# Altium PCB PCB.PcbDoc (part 1 of 3) (continued)
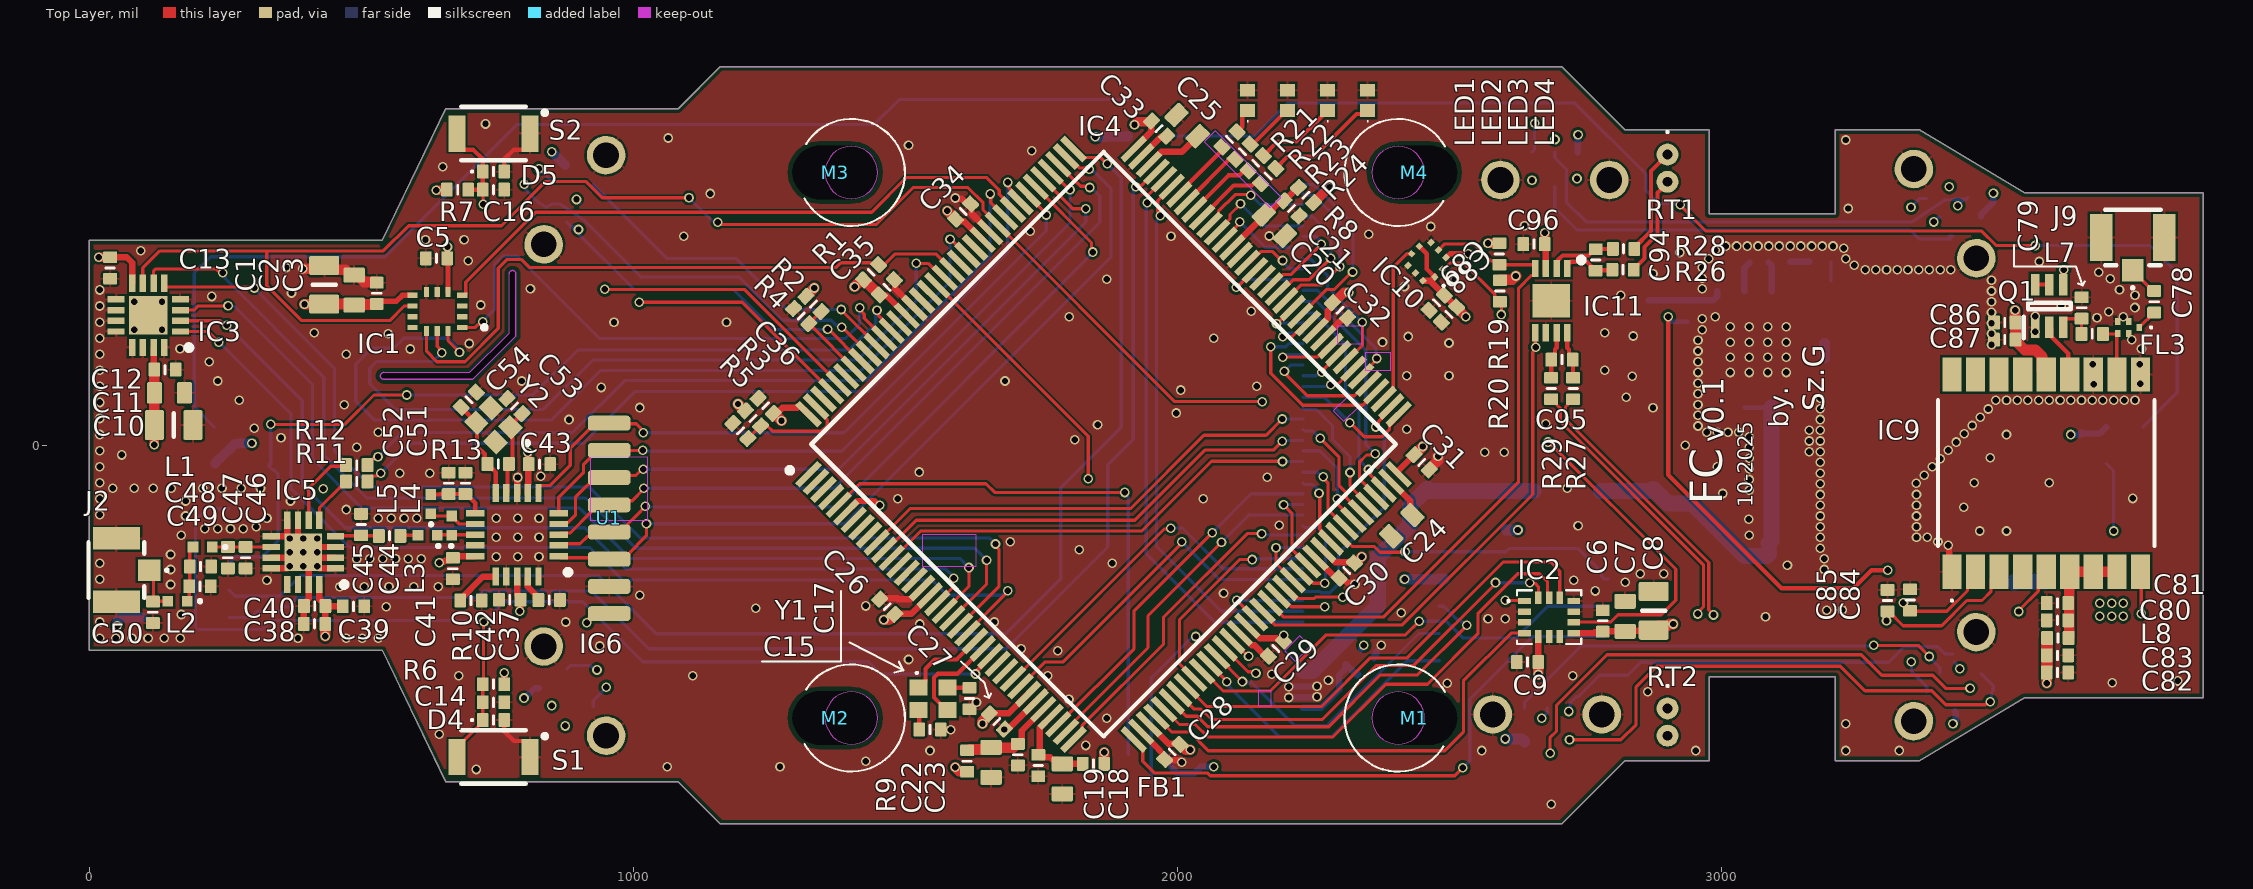
[diagram p0: Top Layer view]
## Components (designator, comment, footprint, x,y, rotation, side; value= is the part's Value field where it differs from the comment)
C1 "Cap0805" CAP0805 431.95,295 r270 top value=4u7F
C2 "Cap0603" CAP0603 487.06,285.16 r270 top value=2u2F
C3 "Cap0402" CAP0402#1 528.77,279.36 r270 top value=100nF
C5 "Cap0402" CAP0402#1 638.39,343.81 r0 top value=10nF
C6 "Cap0402" CAP0402#1 2781.8,-322.69 r270 top value=100nF
C7 "Cap0603" CAP0603 2822.69,-314.25 r270 top value=2u2F
C8 "Cap0805" CAP0805 2875.28,-304.26 r270 top value=4u7F
C9 "Cap0402" CAP0402#1 2643.3,-398.23 r0 top value=10nF
C10 "Cap0805" CAP0805 155.38,37.15 r180 top value=4u7F
C11 "Cap0603" CAP0603 147.64,96.46 r180 top value=2u2F
C12 "Cap0402" CAP0402#1 139.47,138.86 r180 top value=100nF
C13 "Cap0402" CAP0402#1 38.39,325.79 r90 top value=100nF
C14 "Cap0402" CAP0402#1 743.11,-472.44 r180 top value=100nF
C15 "Cap0402" CAP0402#2 1545.39,-522.26 r180 top value=11pF
C16 "Cap0402" CAP0402#1 743.11,469.49 r180 top value=100nF
C17 "Cap0402" CAP0402#2 1618.02,-465.51 r90 top value=11pF
C18 "Cap0603" CAP0603 1788.39,-613.19 r90 top value=1uF
C19 "Cap0402" CAP0402#1 1744.09,-588.58 r90 top value=100nF
C20 "Cap0603" CAP0603 2178.15,404.53 r135 top value=1uF
C21 "Cap0402" CAP0402#1 2209.65,435.04 r135 top value=100nF
C22 "Cap0603" CAP0603 1657.48,-582.68 r90 top value=1uF
C23 "Cap0402" CAP0402#1 1706.58,-568.72 r90 top value=100nF
C24 "Cap0603" CAP0603 2412.4,-147.64 r45 top value=2u2F
C25 "Cap0603" CAP0603 2017.72,587.6 r315 top value=2u2F
C26 "Cap0402" CAP0402#1 1466.81,-296.61 r315 top value=100nF
C27 "Cap0402" CAP0402#1 1668.11,-507.85 r135 top value=100nF
C28 "Cap0402" CAP0402#1 1990.29,-563.41 r45 top value=100nF
C29 "Cap0402" CAP0402#1 2180.8,-373.52 r45 top value=100nF
C30 "Cap0402" CAP0402#1 2311.03,-230.26 r45 top value=100nF
C31 "Cap0402" CAP0402#1 2448.82,-31.5 r135 top value=100nF
C32 "Cap0402" CAP0402#1 2298.66,248.03 r135 top value=100nF
C33 "Cap0402" CAP0402#1 1966.25,581.86 r135 top value=100nF
C34 "Cap0402" CAP0402#1 1606.4,429.41 r225 top value=100nF
C35 "Cap0402" CAP0402#1 1466.21,290.3 r225 top value=100nF
C36 "Cap0402" CAP0402#1 1243.38,72.67 r315 top value=100nF
C37 "Cap0402" CAP0402#1 845.47,-284.45 r180 top value=33nF
C38 "Cap0402" CAP0402#1 414.11,-328.04 r0 top value=1uF
C39 "Cap0402" CAP0402#1 485.96,-295.97 r180 top value=DNI
C40 "Cap0402" CAP0402#1 414.37,-295.28 r0 top value=220pF
C41 "Cap0402" CAP0402#1 668.14,-226.67 r90 top value=DNI
C42 "Cap0402" CAP0402#1 772.93,-283.64 r0 top value=10nF
C43 "Cap0402" CAP0402#1 827.69,-34.96 r180 top value=1nF
C44 "Cap0402" CAP0402#1 552.17,-166.34 r0 top value=1p5F
C45 "Cap0402" CAP0402#1 500,-145.67 r270 top value=1p0F
C46 "Cap0402" CAP0402#1 287.4,-206.69 r90 top value=0p3F
C47 "Cap0402" CAP0402#1 254.92,-206.69 r90 top value=1p5F
C48 "Cap0402" CAP0402#1 204.72,-222.84 r180 top value=1p5F
C49 "Cap0402" CAP0402#1 203.73,-259.26 r180 top value=1p5F
C50 "Cap0402" CAP0402#1 117.13,-307.09 r90 top value=1p5F
C51 "Cap0402" CAP0402#1 691.5,-69.88 r270 top value=2n2F
C52 "Cap0402" CAP0402#1 660.99,-69.88 r270 top value=4p7F
C53 "Cap0402" CAP0402#1 781.82,72.17 r315 top value=16pF
C54 "Cap0402" CAP0402#1 697.83,83.66 r225 top value=16pF
C55 "Cap0402" CAP0402#1 3181.19,337.33 r0 bottom value=100nF
C56 "TR3D336K025D0200" CAPPM7343X310N 2460.72,42.06 r90 bottom value=DNI
C57 "TR3D336K025D0200" CAPPM7343X310N 2874.1,42.06 r90 bottom value=33uF
C58 "T58W9476M6R3C0200" CAPPC2012X90N 3244.18,-36.68 r180 bottom value=47uF
C59 "T58W9476M6R3C0200" CAPPC2012X90N 3244.18,-103.61 r180 bottom value=47uF
C60 "Cap0805" CAP0805 2582.76,-48.5 r270 bottom value=DNI
C61 "Cap0805" CAP0805 3122.13,-190.23 r180 bottom value=DNI
C62 "Cap0805" CAP0805 3122.13,-127.24 r180 bottom value=10uF
C63 "Cap0805" CAP0805 3122.13,-64.24 r180 bottom value=4u7F
C64 "Cap0402" CAP0402#1 3114.26,-17 r180 bottom value=220nF
C65 "Cap0402" CAP0402#1 3114.26,14.5 r180 bottom value=100nF
C66 "Cap0402" CAP0402#1 3231.02,19.15 r0 bottom value=100nF
C67 "Cap0805" CAP0805 3244.18,-166.61 r0 bottom value=22uF
C68 "Cap0603" CAP0603 3248.12,-221.72 r0 bottom value=10uF
C69 "Cap0603" CAP0603 3248.12,-268.97 r0 bottom value=10uF
C70 "Cap0402" CAP0402#1 3366.23,-213.85 r270 bottom value=100nF
C71 "Cap0805" CAP0805 3598.51,-213.85 r270 bottom value=DNI
C72 "Cap0603" CAP0603 3653.81,-217.92 r270 bottom value=10uF
C73 "Cap0402" CAP0402#1 3696.39,-222.51 r270 bottom value=100nF
C74 "Cap0402" CAP0402#1 3189.06,140.48 r270 bottom value=DNI
C75 "Cap0402" CAP0402#1 3031.58,337.33 r0 bottom value=1uF
C76 "Cap0402" CAP0402#1 2901.66,246.78 r270 bottom value=DNI
C77 "Cap0402" CAP0402#1 2438.94,-265.88 r90 bottom value=100nF
C78 "Cap0402" CAP0402#1 3795.28,263.78 r270 top value=0R
C79 "Cap0402" CAP0402#1 3661.89,252.54 r270 top value=10nF
C80 "Cap0402" CAP0402#1 3617.2,-321.45 r0 top value=56pF
C81 "Cap0402" CAP0402#1 3617.2,-289.96 r0 top value=100nF
C82 "Cap0402" CAP0402#1 3617.48,-417.65 r180 top value=10nF
C83 "Cap0402" CAP0402#1 3617.48,-386.16 r180 top value=100nF
C84 "Cap0402" CAP0402#1 3346.65,-284.35 r270 top value=56pF
C85 "Cap0402" CAP0402#1 3305.12,-285.43 r270 top value=56pF
C86 "Cap0402" CAP0402#1 3520.39,225.79 r0 top value=100nF
C87 "Cap0402" CAP0402#1 3520.39,194.29 r0 top value=56pF
C88 "Cap0402" CAP0402#1 2498.84,240.32 r45 top value=100nF
C89 "Cap0402" CAP0402#1 2476.25,262.11 r45 top value=100nF
C90 "Cap0402" CAP0402#1 276.27,24.52 r270 bottom value=100nF
C91 "Cap0402" CAP0402#1 3661.42,0 r90 bottom value=100nF
C92 "Cap0402" CAP0402#1 2045.05,-610.94 r90 bottom value=100nF
C93 "Cap0402" CAP0402#1 1870.08,586.61 r270 bottom value=100nF
C94 "Cap0402" CAP0402#1 2768.9,340.66 r270 top value=100nF
C95 "Cap0402" CAP0402#1 2706.69,157.48 r0 top value=100nF
C96 "Cap0402" CAP0402#1 2655.23,369.85 r0 top value=100nF
D1 "D1213A-01LP4-7B" D1213A01LP47B 310.04,-35.43 r180 bottom
D2 "D1213A-01LP4-7B" D1213A01LP47B 349.41,-256.89 r90 bottom
D3 "D1213A-01LP4-7B" D1213A01LP47B 350.76,-323.84 r270 bottom
D4 "D1213A-01LP4-7B" D1213A01LP47B 743.11,-504.92 r0 top
D5 "D1213A-01LP4-7B" D1213A01LP47B 743.11,502.95 r0 top
D6 "587-1024-147F" 5871024147F 1942.91,-601.76 r270 bottom
D7 "587-1024-147F" 5871024147F 3740.16,0 r0 bottom
D8 "587-1024-147F" 5871024147F 1942.91,601.77 r90 bottom
D9 "587-1024-147F" 5871024147F 196.85,0 r180 bottom
D10 "DF2S24FS,L3M" SODFL1006X45N 2378.94,-318.9 r315 bottom
D11 "DF2S24FS,L3M" SODFL1006X45N 2346.65,-406.04 r45 bottom
FB1 "0R/Ferrite" NFZ15SG152SN10B 1845.79,-585.72 r180 top
FL1 "0R/Ferrite" BLM31KN102BH1L 2716.62,-83.93 r0 bottom
FL2 "0R/Ferrite" BLM31KN102BH1L 3476.38,-251.97 r0 bottom
FL3 "B39162B8313P810" B39162B8313P810 3748.03,216.54 r180 top
IC1 "LSM6DSOTR" LSM6DS3USTR 639.76,246.06 r180 top
IC2 "ICM-42688-P" IIM42352 2683.04,-315.7 r0 top
IC3 "MLX90393ELW-ABA-013-SP" QFN50P300X300X100-17N-D 108.56,238.61 r180 top
IC4 "STM32H723ZGT6" QFP50P2200X2200X160-144N 1864.42,1.97 r45 top locked
IC5 "RFX2401C" QFN50P300X300X60-17N-D 393.7,-196.85 r180 top
IC6 "nRF24L01P" QFN50P400X400X95-21N-D 786.42,-164.37 r180 top
IC7 "LMR33640ADDAR" SOIC127P600X170-9N 3067.02,175.91 r90 bottom
IC8 "MT29F2G01ABAGDWB-IT_G_TR" SON127P800X600X65-8N 2636.81,-320.87 r180 bottom
IC9 "TESEO-LIV3R" TESEOLIV3R 3596.61,-51.18 r180 top
IC10 "BMP390" BMP390 2458.66,337.6 r225 top
IC11 "MCP3426A0-E_MC" SON50P300X200X100-9N-D 2687.01,265.75 r270 top
J1 "FTSH-105-01-LM-DV-K" FTSH-105-XX-YYY-DV-K 177.17,-216.54 r90 bottom
J2 "CONUFL001-SMD-T" CONUFL001-SMD 50.2,-229.33 r90 top
J3 "FC_TOF360" TOF_MOUNT 835.27,369.24 r55 bottom locked
J4 "FC_TOF360" TOF_MOUNT 2593.63,487.57 r0 bottom locked
J5 "FC_TOF360" TOF_MOUNT 3353.43,507.69 r305 bottom locked
J6 "FC_TOF360" TOF_MOUNT 3468.16,-343.32 r235 bottom locked
J7 "FC_TOF360" TOF_MOUNT 2779.63,-494.61 r180 bottom locked
J8 "FC_TOF360" TOF_MOUNT 949.98,-533.67 r125 bottom locked
J9 "CONUFL001-SMD-T" CONUFL001-SMD 3755.91,381.89 r0 top
J10 "FH34SRJ-50S-0.5SH_50_" FH34SRJ50S05SH50 2185.32,-0.35 r90 bottom locked
L1 "MLG1005S2N4BT000" MLG1005 208.66,-187.01 r180 top
L2 "MLG1005S2N4BT000" MLG1005 162.4,-286.42 r180 top
L3 "MLG1005S3N9BT000" MLG1005 622.05,-165.35 r180 top
L4 "MLG1005S8N2HT000" MLG1005 666.34,-147.64 r90 top
L5 "MLG1005S2N7BTD25" MLG1005 627.95,-108.27 r90 top
L6 "EXLA1V0606-100-R" EXLA1V0606100R 3346.54,171.98 r180 bottom
L7 "LQG15HS27NJ02" INDC1005X55N 3681.1,204.72 r0 top value=0R/???
L8 "LQG15HS27NJ02" INDC1005X55N 3618.11,-354.33 r180 top value=27nH
LED1 "LTST-C281KRKT" LTSTC281KRKT 2128.94,633.86 r90 top
LED2 "LTST-C281KSKT" LTSTC281KRKT 2202.43,633.86 r90 top
LED3 "LTST-C281KGKT" LTSTC281KRKT 2275.92,633.86 r90 top
LED4 "LTST-C281KBKT" LTSTC281KRKT 2349.41,633.86 r90 top
M1 "Mount_M2" Mount_M2_anti_vibration_rubber 2405.6,-501.25 r180 top
M2 "Mount_M2" Mount_M2_anti_vibration_rubber 1400.83,-501.25 r0 top locked
M3 "Mount_M2" Mount_M2_anti_vibration_rubber 1400.83,501.27 r0 top locked
M4 "Mount_M2" Mount_M2_anti_vibration_rubber 2405.6,501.27 r180 top locked
Q1 "DCX123JU-7-F" SOT65P210X110-6N 3602.36,255.91 r90 top
R1 "Res0402" RES0402 1437.29,317.89 r225 top value=10k
R2 "Res0402" RES0402 1331.16,259.4 r135 top value=DNI
R3 "Res0402" RES0402 1219.98,49.2 r135 top value=0R
R4 "Res0402" RES0402 1308.67,237.59 r315 top value=10k
R5 "Res0402" RES0402 1196.85,26.57 r315 top value=DNI
R6 "Res0402" RES0402 743.11,-438.98 r0 top value=50k
R7 "Res0402" RES0402 677.17,469.49 r180 top value=50k
R8 "Res0402" RES0402 2236.22,459.65 r135 top value=0R
R9 "Res0402" RES0402 1613.47,-580.46 r90 top value=47R
R10 "Res0402" RES0402 701.77,-285.43 r180 top value=22k
R11 "Res0402" RES0402 491.86,-66.68 r180 top value=10k
R12 "Res0402" RES0402 491.86,-36.68 r180 top value=10k
R13 "Res0402" RES0402 751.86,-34.54 r180 top value=1M
R14 "Res0402" RES0402 3106.39,337.33 r0 bottom value=0R
R15 "Res0402" RES0402 3189.06,207.41 r270 bottom value=DNI
R16 "Res0402" RES0402 2937.09,246.78 r270 bottom value=100k/1%
R17 "Res0402" RES0402 2866.23,246.78 r90 bottom value=43k5/1%
R18 "Res0402" RES0402 2604.35,-175.46 r90 bottom value=DNI
R19 "Res0402" RES0402 2591.54,351.38 r90 top value=4k7
R20 "Res0402" RES0402 2592.52,283.46 r90 top value=4k7
R21 "Res0402" RES0402 2095.55,562.12 r45 top value=1k
R22 "Res0402" RES0402 2119.7,539.52 r45 top value=1k
R23 "Res0402" RES0402 2143.8,518.39 r45 top value=1k
R24 "Res0402" RES0402 2166.62,494.93 r45 top value=1k
R25 "Res0402" RES0402 2323.66,-388.92 r45 bottom value=DNI
R26 "Res0402" RES0402 2818.9,322.83 r0 top value=10k
R27 "Res0402" RES0402 2727.36,104.33 r270 top value=10k
R28 "Res0402" RES0402 2819.88,361.22 r0 top value=10k
R29 "Res0402" RES0402 2687.01,104.33 r270 top value=10k
RT1 "PS103G2" PS103G2 2900.59,534.25 r270 top locked
RT2 "PS103G2" PS103G2 2900.7,-483.57 r270 top
S1 "B3U-3000P" B3U-1000P 743.11,-572.83 r0 top
S2 "B3U-3000P" B3U-1000P 743.11,572.83 r0 top
U1 "nrf24l01_mini" NR24L01_MINI 3384.65,10823.35 r90 top
Y1 "ECS-320-10-37B-CKY-TR" ECS3201037BCKYTR 1550.69,-465.54 r0 top
Y2 "830108288709" 830108288709 742.84,37.37 r135 top

## Footprints (in the part's own frame and the unit in brackets; to place one, negate y for a bottom-side part, rotate by r counter-clockwise, add the part's x,y. Pads: shape width x height; smd on the part's side, far side on the other; paste and mask are expansions set on the pad)
5871024147F [mm]
  rect 0.9x0.9 smd: 1(0.85,-0.85) 2(-0.85,-0.85) 3(-0.85,0.85) 4(0.85,0.85)
  silkscreen extent 0.7,-1.9 0.8,-1.8, body extent -1,-1 1,1, height 1
830108288709 [mm]
  rect 0.875x0.775 smd: 1(-0.637,-0.487) 2(0.637,-0.487) 3(0.637,0.487) 4(-0.637,0.487)
  silkscreen extent -1.8,-0.6 -1.6,-0.4, body extent -1,-0.8 1,0.8, height 0.6
B3U-1000P [mm]
  rect 0.8x1.7 smd: 1(1.7,0) 2(-1.7,0)
  silkscreen extent -1.5,-1.25 2.49,1.25, body extent -2,-1.25 2,1.25, height 1.6
B39162B8313P810 [mm]
  rect 0.25x0.325 smd: 1(-0.5,0) 2(0,-0.288) 3(0.5,-0.288) 4(0.5,0.288) 5(0,0.288)
  silkscreen extent -1.1,-0.05 -1,0.05, body extent -0.7,-0.55 0.7,0.55, height 0.45
BLM31KN102BH1L [mm]
  rect 1.15x1.8 smd: 1(-1.575,0) 2(1.575,0)
  silkscreen extent 0,-0.7 0,0.7, body extent -1.6,-0.8 1.6,0.8, height 1.6
BMP390 [mm]
  rect 0.25x0.275 smd: 1(0.25,0.763) 2(-0.25,0.763) 6(-0.25,-0.763) 7(0.25,-0.763)
  rect 0.275x0.25 smd: 3(-0.762,0.5) 4(-0.762,0) 5(-0.762,-0.5) 8(0.762,-0.5) 9(0.762,0) 10(0.762,0.5)
  silkscreen extent 0.2,1.3 0.3,1.4, body extent -1,-1.08 1,0.92, height 0.73
CAP0402#1 [mm]
  rrect20% 0.55x0.65 smd: 1(-0.498,-0.005) 2(0.503,-0.005)
  silkscreen extent 0,-0.2 0,0.2, body extent -0.49,-0.27 0.51,0.28, height 0.5
CAP0402#2 [mm]
  rrect20% 0.55x0.65 smd: 1(-0.498,0.005) 2(0.503,0.005)
  silkscreen extent 0,-0.2 0,0.2, body extent -0.49,-0.28 0.51,0.27, height 0.5
CAP0603 [mm]
  rrect20% 0.7x1 smd: 1(-0.7,0) 2(0.7,0)
  body extent -0.8,-0.4 0.8,0.4, height 0.95
CAP0805 [mm]
  rrect20% 0.9x1.4 smd: 1(-0.9,0) 2(0.9,0)
  silkscreen extent 0,-0.55 0,0.55, body extent -1,-0.63 1,0.63, height 0.88
CAPPC2012X90N [mm]
  rect 1.1x1.45 smd: 1(-0.9,0) 2(0.9,0)
  silkscreen extent -1.8,-1.07 0.9,1.07, body extent -1.12,-0.72 1.08,0.73, height 0.9
CAPPM7343X310N [mm]
  rect 2.35x2.45 smd: 1(-3.1,0) 2(3.1,0)
  silkscreen extent -4.28,-2.15 3.65,2.15, body extent -3.59,-2.21 3.6,2.21, height 2.92
CONUFL001-SMD [mm]
  rect 1x1.05 smd: 1(0,-1.525)
  rect 1.05x2.2 smd: 2(-1.475,0) 3(1.475,0)
  silkscreen extent -1.3,-2.38 1.3,1.3, body extent -1.5,-1.5 1.5,1.59, height 1.25
D1213A01LP47B [mm]
  rrect20% 0.55x0.65 smd: 1(-0.498,0) 2(0.503,0)
  silkscreen extent -1.05,-0.2 0,0.2, body extent -0.5,-0.3 0.5,0.3, height 0.37
ECS3201037BCKYTR [mm]
  rect 0.85x0.75 smd: 1(-0.675,0.525) 2(0.675,0.525) 3(0.675,-0.525) 4(-0.675,-0.525)
  silkscreen extent -0.8,1.15 -0.7,1.25, body extent -1.02,-0.82 1.02,0.82, height 0.6
EXLA1V0606100R [mm]
  rect 5.6x1.55 smd: 1(0,2.025) 2(0,-2.025)
  silkscreen extent -3.6,-3.45 3.6,4, body extent -3.6,-3.45 3.6,3.45, height 5.81
FH34SRJ50S05SH50 [mm]
  rect 0.3x0.8 smd: 1(12.25,1.15) 2(11.75,1.15) 3(11.25,1.15) 4(10.75,1.15) 5(10.25,1.15) 6(9.75,1.15) 7(9.25,1.15) 8(8.75,1.15) 9(8.25,1.15) 10(7.75,1.15) 11(7.25,1.15) 12(6.75,1.15) 13(6.25,1.15) 14(5.75,1.15) 15(5.25,1.15) 16(4.75,1.15) 17(4.25,1.15) 18(3.75,1.15) 19(3.25,1.15) 20(2.75,1.15) 21(2.25,1.15) 22(1.75,1.15) 23(1.25,1.15) 24(0.75,1.15) 25(0.25,1.15) 26(-0.25,1.15) 27(-0.75,1.15) 28(-1.25,1.15) 29(-1.75,1.15) 30(-2.25,1.15) 31(-2.75,1.15) 32(-3.25,1.15) 33(-3.75,1.15) 34(-4.25,1.15) 35(-4.75,1.15) 36(-5.25,1.15) 37(-5.75,1.15) 38(-6.25,1.15) 39(-6.75,1.15) 40(-7.25,1.15) 41(-7.75,1.15) 42(-8.25,1.15) 43(-8.75,1.15) 44(-9.25,1.15) 45(-9.75,1.15) 46(-10.25,1.15) 47(-10.75,1.15) 48(-11.25,1.15) 49(-11.75,1.15) 50(-12.25,1.15)
  rect 0.4x0.8 smd: 51(13.25,-1.35) 52(-13.25,-1.35)
  silkscreen extent -13.5,-1.9 13.5,2.5, body extent -13.5,-1.9 13.5,1.9, height 1
FTSH-105-XX-YYY-DV-K [mm]
  rect 0.74x2.79 smd: 1(-2.54,-2.035) 2(-2.54,2.035) 3(-1.27,-2.035) 4(-1.27,2.035) 5(0,-2.035) 6(0,2.035) 7(1.27,-2.035) 8(1.27,2.035) 9(2.54,-2.035) 10(2.54,2.035)
  silkscreen extent -3.18,-3.83 3.17,1.72, body extent -3.18,-2.92 3.17,2.92, height 6.12
IIM42352 [mm]
  rect 0.6x0.3 smd: 1(-1.15,0.75) 2(-1.15,0.25) 3(-1.15,-0.25) 4(-1.15,-0.75) 8(1.15,-0.75) 9(1.15,-0.25) 10(1.15,0.25) 11(1.15,0.75)
  rect 0.3x0.6 smd: 5(-0.5,-0.9) 6(0,-0.9) 7(0.5,-0.9) 12(0.5,0.9) 13(0,0.9) 14(-0.5,0.9)
  silkscreen extent -1.95,-1.25 1.5,1.25, body extent -1.5,-1.25 1.5,1.25, height 0.9
INDC1005X55N [mm]
  rrect20% 0.55x0.65 smd: 1(-0.498,-0.005) 2(0.503,-0.005)
  silkscreen extent 0,-0.2 0,0.2, body extent -0.5,-0.25 0.5,0.25, height 0.55
LSM6DS3USTR [mm]
  rect 0.475x0.25 smd: 1(-1.163,0.75) 2(-1.163,0.25) 3(-1.163,-0.25) 4(-1.163,-0.75) 8(1.163,-0.75) 9(1.163,-0.25) 10(1.163,0.25) 11(1.163,0.75)
  rect 0.25x0.475 smd: 5(-0.5,-0.912) 6(0,-0.912) 7(0.5,-0.912) 12(0.5,0.912) 13(0,0.912) 14(-0.5,0.912)
  silkscreen extent -2.3,0.65 -2.1,0.85, body extent -1.5,-1.25 1.5,1.25, height 0.86
LTSTC281KRKT [mm]
  rect 0.6x0.7 smd: 1(-0.475,0) 2(0.475,0)
  silkscreen extent -1,-0.02 -0.95,0.02, body extent -0.5,-0.25 0.5,0.25, height 0.35
MLG1005 [mm]
  rect 0.5x0.5 smd: 1(-0.45,0) 2(0.45,0)
  silkscreen extent -1.1,-0.05 -1,0.05, body extent -0.5,-0.25 0.5,0.25, height 0.5
Mount_M2_anti_vibration_rubber [mm]
  round 0 / inner rrect50% 0x0 / far side round 0 hole 2.5 slot 4 at 0 deg unplated: 1(-0.75,0)
  silkscreen extent -2.19,-2.5 2.5,2.5
NFZ15SG152SN10B [mm]
  rrect20% 0.55x0.65 smd: 1(-0.498,-0.005) 2(0.503,-0.005)
  silkscreen extent 0,-0.2 0,0.2, body extent -0.5,-0.25 0.5,0.25, height 0.5
NR24L01_MINI [mm]
  rrect50% 0.7x2 smd: 1(-282.773,61.695) 2(-281.503,61.695) 3(-280.233,61.695) 4(-278.963,61.695) 5(-277.693,61.695) 6(-276.423,61.695) 7(-275.153,61.695) 8(-273.883,61.695)
PS103G2 [mil]
  round 40.24 hole 17.87: 1(0,0) 2(50,0)
  silkscreen extent -43,-2 -39,2, body extent -22,-48 72,48, height 99
QFN50P300X300X60-17N-D [mm]
  rect 0.8x0.3 smd: 1(-1.5,0.75) 2(-1.5,0.25) 3(-1.5,-0.25) 4(-1.5,-0.75) 9(1.5,-0.75) 10(1.5,-0.25) 11(1.5,0.25) 12(1.5,0.75)
  rect 0.3x0.8 smd: 5(-0.75,-1.5) 6(-0.25,-1.5) 7(0.25,-1.5) 8(0.75,-1.5) 13(0.75,1.5) 14(0.25,1.5) 15(-0.25,1.5) 16(-0.75,1.5)
  rect 1.75x1.75 smd: 17(0,0)
  silkscreen extent -2.02,1.38 -1.78,1.62, body extent -1.55,-1.55 1.55,1.55, height 0.6
QFN50P300X300X100-17N-D [mm]
  rect 0.8x0.3 smd: 1(-1.5,0.75) 2(-1.5,0.25) 3(-1.5,-0.25) 4(-1.5,-0.75) 9(1.5,-0.75) 10(1.5,-0.25) 11(1.5,0.25) 12(1.5,0.75)
  rect 0.3x0.8 smd: 5(-0.75,-1.5) 6(-0.25,-1.5) 7(0.25,-1.5) 8(0.75,-1.5) 13(0.75,1.5) 14(0.25,1.5) 15(-0.25,1.5) 16(-0.75,1.5)
  rect 1.8x1.8 smd: 17(0,0)
  silkscreen extent -2.02,1.38 -1.78,1.62, body extent -1.55,-1.55 1.55,1.55, height 1
QFN50P400X400X95-21N-D [mm]
  rect 0.85x0.3 smd: 1(-1.95,1) 2(-1.95,0.5) 3(-1.95,0) 4(-1.95,-0.5) 5(-1.95,-1) 11(1.95,-1) 12(1.95,-0.5) 13(1.95,0) 14(1.95,0.5) 15(1.95,1)
  rect 0.3x0.85 smd: 6(-1,-1.95) 7(-0.5,-1.95) 8(0,-1.95) 9(0.5,-1.95) 10(1,-1.95) 16(1,1.95) 17(0.5,1.95) 18(0,1.95) 19(-0.5,1.95) 20(-1,1.95)
  silkscreen extent -2.5,1.63 -2.25,1.87, body extent -2.05,-2.05 2.05,2.05, height 0.95
QFP50P2200X2200X160-144N [mm]
  rect 1.475x0.3 smd: 1(-10.738,8.75) 2(-10.738,8.25) 3(-10.738,7.75) 4(-10.738,7.25) 5(-10.738,6.75) 6(-10.738,6.25) 7(-10.738,5.75) 8(-10.738,5.25) 9(-10.738,4.75) 10(-10.738,4.25) 11(-10.738,3.75) 12(-10.738,3.25) 13(-10.738,2.75) 14(-10.738,2.25) 15(-10.738,1.75) 16(-10.738,1.25) 17(-10.738,0.75) 18(-10.738,0.25) 19(-10.738,-0.25) 20(-10.738,-0.75) 21(-10.738,-1.25) 22(-10.738,-1.75) 23(-10.738,-2.25) 24(-10.738,-2.75) 25(-10.738,-3.25) 26(-10.738,-3.75) 27(-10.738,-4.25) 28(-10.738,-4.75) 29(-10.738,-5.25) 30(-10.738,-5.75) 31(-10.738,-6.25) 32(-10.738,-6.75) 33(-10.738,-7.25) 34(-10.738,-7.75) 35(-10.738,-8.25) 36(-10.738,-8.75) 73(10.738,-8.75) 74(10.738,-8.25) 75(10.738,-7.75) 76(10.738,-7.25) 77(10.738,-6.75) 78(10.738,-6.25) 79(10.738,-5.75) 80(10.738,-5.25) 81(10.738,-4.75) 82(10.738,-4.25) 83(10.738,-3.75) 84(10.738,-3.25) 85(10.738,-2.75) 86(10.738,-2.25) 87(10.738,-1.75) 88(10.738,-1.25) 89(10.738,-0.75) 90(10.738,-0.25) 91(10.738,0.25) 92(10.738,0.75) 93(10.738,1.25) 94(10.738,1.75) 95(10.738,2.25) 96(10.738,2.75) 97(10.738,3.25) 98(10.738,3.75) 99(10.738,4.25) 100(10.738,4.75) 101(10.738,5.25) 102(10.738,5.75) 103(10.738,6.25) 104(10.738,6.75) 105(10.738,7.25) 106(10.738,7.75) 107(10.738,8.25) 108(10.738,8.75)
  rect 0.3x1.475 smd: 37(-8.75,-10.738) 38(-8.25,-10.738) 39(-7.75,-10.738) 40(-7.25,-10.738) 41(-6.75,-10.738) 42(-6.25,-10.738) 43(-5.75,-10.738) 44(-5.25,-10.738) 45(-4.75,-10.738) 46(-4.25,-10.738) 47(-3.75,-10.738) 48(-3.25,-10.738) 49(-2.75,-10.738) 50(-2.25,-10.738) 51(-1.75,-10.738) 52(-1.25,-10.738) 53(-0.75,-10.738) 54(-0.25,-10.738) 55(0.25,-10.738) 56(0.75,-10.738) 57(1.25,-10.738) 58(1.75,-10.738) 59(2.25,-10.738) 60(2.75,-10.738) 61(3.25,-10.738) 62(3.75,-10.738) 63(4.25,-10.738) 64(4.75,-10.738) 65(5.25,-10.738) 66(5.75,-10.738) 67(6.25,-10.738) 68(6.75,-10.738) 69(7.25,-10.738) 70(7.75,-10.738) 71(8.25,-10.738) 72(8.75,-10.738) 109(8.75,10.738) 110(8.25,10.738) 111(7.75,10.738) 112(7.25,10.738) 113(6.75,10.738) 114(6.25,10.738) 115(5.75,10.738) 116(5.25,10.738) 117(4.75,10.738) 118(4.25,10.738) 119(3.75,10.738) 120(3.25,10.738) 121(2.75,10.738) 122(2.25,10.738) 123(1.75,10.738) 124(1.25,10.738) 125(0.75,10.738) 126(0.25,10.738) 127(-0.25,10.738) 128(-0.75,10.738) 129(-1.25,10.738) 130(-1.75,10.738) 131(-2.25,10.738) 132(-2.75,10.738) 133(-3.25,10.738) 134(-3.75,10.738) 135(-4.25,10.738) 136(-4.75,10.738) 137(-5.25,10.738) 138(-5.75,10.738) 139(-6.25,10.738) 140(-6.75,10.738) 141(-7.25,10.738) 142(-7.75,10.738) 143(-8.25,10.738) 144(-8.75,10.738)
  silkscreen extent -11.35,-9.65 9.65,9.65, body extent -11,-11 11,11, height 1.6
RES0402 [mm]
  rrect20% 0.55x0.65 smd: 1(-0.498,-0.005) 2(0.503,-0.005)
  silkscreen extent 0,-0.2 0,0.2, body extent -0.5,-0.25 0.5,0.25, height 0.4
SODFL1006X45N [mm]
  rect 0.5x0.42 smd: 1(-0.525,0) 2(0.525,0)
  silkscreen extent -0.77,-0.3 0.4,0.3, body extent -0.5,-0.3 0.5,0.3, height 0.4
SOIC127P600X170-9N [mm]
  rect 1.525x0.65 smd: 1(-2.712,1.905) 2(-2.712,0.635) 3(-2.712,-0.635) 4(-2.712,-1.905) 5(2.712,-1.905) 6(2.712,-0.635) 7(2.712,0.635) 8(2.712,1.905)
  rect 2.6x3.1 smd: 9(0,0)
  silkscreen extent -3.47,2.58 -1.95,2.58, body extent -3,-2.45 3,2.45, height 1.7
SON50P300X200X100-9N-D [mm]
  rect 0.8x0.3 smd: 1(-1.5,0.75) 2(-1.5,0.25) 3(-1.5,-0.25) 4(-1.5,-0.75) 5(1.5,-0.75) 6(1.5,-0.25) 7(1.5,0.25) 8(1.5,0.75)
  rect 1.55x1.75 smd: 9(0,0)
  silkscreen extent -2.02,1.28 -1.78,1.53, body extent -1.55,-1 1.55,1, height 1
SON127P800X600X65-8N [mm]
  rect 0.85x0.45 smd: 1(-3.95,1.905) 2(-3.95,0.635) 3(-3.95,-0.635) 4(-3.95,-1.905) 5(3.95,-1.905) 6(3.95,-0.635) 7(3.95,0.635) 8(3.95,1.905)
  silkscreen extent -4.5,-3 3.18,3, body extent -4.05,-3 4.05,3, height 0.65
SOT65P210X110-6N [mm]
  rect 1x0.4 smd: 1(-1,0.65) 2(-1,0) 3(-1,-0.65) 4(1,-0.65) 5(1,0) 6(1,0.65)
  silkscreen extent -1.5,-1 0.15,1.2, body extent -1.05,-1 1.05,1, height 1.1
TESEOLIV3R [mm]
  rect 0.9x1.6 smd: 1(4.4,4.6) 2(3.3,4.6) 3(2.2,4.6) 4(1.1,4.6) 5(0,4.6) 6(-1.1,4.6) 7(-2.2,4.6) 8(-3.3,4.6) 9(-4.4,4.6) 10(-4.4,-4.6) 11(-3.3,-4.6) 12(-2.2,-4.6) 13(-1.1,-4.6) 14(0,-4.6) 15(1.1,-4.6) 16(2.2,-4.6) 17(3.3,-4.6) 18(4.4,-4.6)
  silkscreen extent -5.05,-3.4 5.05,6, body extent -5.05,-4.85 5.05,4.85, height 2.31
TOF_MOUNT [mm]
  rect 0.7x1.2 smd: 1(3.606,-1.3) 2(2.535,-1.3) 3(1.464,-1.3) 4(1.464,0.3) 5(2.535,0.3) 6(3.606,0.3)
  round 1.8 hole 1.2: 7(0,0) 7(5.08,0)

## Part data
C1 C8 C10 C63: Manufacturer_Part_Number=GRM21BR61H475ME51L, Voltage=35V
C2 C7 C11 C24 C25: Manufacturer_Part_Number=GRT188R61H225KE13D, Voltage=50V
C3 C6 C12 C13 C14 C16 C19 C21 C23 C26 C27 C28 C29 C30 C31 C32 C33 C34 C35 C36 C77 C81 C83 C86 C88 C89 C90 C91 C92 C93 C94 C95 C96: Manufacturer_Part_Number=GRM155R71H104ME14D, Voltage=50V
C5 C9 C82: Manufacturer_Part_Number=GRM155R71H103MA88D, Voltage=50V
C15 C17: Manufacturer_Part_Number=GCM1555C1H110JA16D, Voltage=50V
C18 C20 C22: Manufacturer_Part_Number=GRT188R61H105KE13D, Voltage=50V
C37: Manufacturer_Part_Number=GRM155R61H333KE14D, Voltage=6V3
C38: Manufacturer_Part_Number=GRM155R61H105KE05J, Voltage=6V3
C39 C41: Voltage=6V3
C40: Manufacturer_Part_Number=GRM1555C1H221JA01D, Voltage=6V3
C42: Manufacturer_Part_Number=GRM155R71H103MA88D, Voltage=6V3
C43: Manufacturer_Part_Number=GRM155R71H102KA01J, Voltage=6V3
C44 C47 C48 C49 C50: "RF NP0", Manufacturer_Part_Number=GRM1555C1H1R5BA01J, Voltage=6V3
C45: "RF NP0", Manufacturer_Part_Number=GCM1555C1H1R0BA16D, Voltage=6V3
C46: "RF NP0", Manufacturer_Part_Number=GJM1555C1HR30BB01J, Voltage=6V3
C51: "RF NP0", Manufacturer_Part_Number=GRM1555C1H222GA01D, Voltage=6V3
C52: "RF NP0", Manufacturer_Part_Number=GJM1555C1H4R7CB01D, Voltage=6V3
C53 C54: "NP0", Manufacturer_Part_Number=GRT1555C1H160FA02D, Voltage=6V3
C55 C66 C70 C73: Manufacturer_Part_Number=GRM155R71H104ME14D, Voltage=25V
C56: "Capacitor Polarised", Voltage=DNI
C57: "Capacitor Polarised", Manufacturer_Name=Vishay, Mouser Part Number=74-TR3D336K025D0200, Datasheet Link=http://www.vishay.com/doc?40080, HEIGHT=3.1mm, Manufacturer_Part_Number=TR3D336K025D0200, Mouser Price/Stock=https://www.mouser.com/Search/Refine.aspx?Keyword=74-TR3D336K025D0200
C58 C59: "Capacitor Polarised", Voltage=6V3, Manufacturer_Part_Number=T58W9476M6R3C0200
C60 C61: Voltage=35V
C62: Manufacturer_Part_Number=GRM21BR61H106KE43K, Voltage=35V
C64: Manufacturer_Part_Number=GRM155R61H224ME01W, Voltage=35V
C65: Manufacturer_Part_Number=GRM155R71H104ME14D, Voltage=35V
C67: Manufacturer_Part_Number=CL21A226MAYNNNE, Voltage=25V
C68 C69 C72: Manufacturer_Part_Number=GRM188R61E106MA73J, Voltage=25V
C71 C74 C76: Voltage=DNI
C75: Manufacturer_Part_Number=GRM155R61H105KE05J, Voltage=35V
C78: "RF NP0"
C79: "RF NP0", Manufacturer_Part_Number=GRM1555CYA103GE01D, Voltage=50V
C80 C84 C85 C87: Manufacturer_Part_Number=GCM1555C1H560GA16D, Voltage=50V
D1 D2 D3 D4 D5: "TVS Diode (Uni-directional)", Manufacturer_Name="Diodes Incorporated", Mouser Part Number=621-D1213A-01LP4-7B, Arrow Part Number=D1213A-01LP4-7B, Arrow Price/Stock=https://www.arrow.com/en/products/d1213a-01lp4-7b/diodes-incorporated?region=europe, Datasheet Link=https://www.diodes.com/assets/Datasheets/D1213A-01LP4.pdf, HEIGHT=0.4mm, Manufacturer_Part_Number=D1213A-01LP4-7B, Mouser Price/Stock=https://www.mouser.co.uk/ProductDetail/Diodes-Incorporated/D1213A-01LP4-7B?qs=gfe7vQ8txpVKfG5NOSOvfA%3D%3D
D6 D7 D8 D9: "LED", Manufacturer_Name=Dialight, Datasheet Link=https://s3-us-west-2.amazonaws.com/catsy.557/Dialight_datasheet_587-1024-147F_Addressable_RGB.pdf, HEIGHT=0.9mm, Manufacturer_Part_Number=587-1024-147F
D10 D11: "TVS Diode (Uni-directional)", Manufacturer_Name=Toshiba, Mouser Part Number=757-DF2S24FSL3M, Arrow Part Number=DF2S24FS,L3M, Arrow Price/Stock=https://www.arrow.com/en/products/df2s24fsl3m/toshiba?region=nac, Datasheet Link=https://www.mouser.com/datasheet/2/408/DF2S24FS_datasheet_en_20140718-708374.pdf, HEIGHT=0.45mm, Manufacturer_Part_Number=DF2S24FS,L3M, Mouser Price/Stock=https://www.mouser.co.uk/ProductDetail/Toshiba/DF2S24FSL3M?qs=lhkzy8lC%252BSvG2umxl0FuEw%3D%3D
FB1: library part BLM15PE471SH1D, "Ferrite Bead", Manufacturer_Name="Murata Electronics", Mouser Part Number=81-BLM15PE471SH1D, Datasheet Link=https://www.murata.com/en-global/products/productdetail.aspx?cate=luNoiseSupprFilteChipFerriBead&partno=BLM15PE471SH1%23, HEIGHT=0.55mm, Manufacturer_Part_Number=BLM15PE471SH1D, Mouser Price/Stock=https://www.mouser.co.uk/ProductDetail/Murata-Electronics/BLM15PE471SH1D?qs=DRkmTr78QATAY5qAVx1hGA%3D%3D
FL1 FL2: library part BLM31KN121SH1L, "Filter"
FL3: "Filter", Manufacturer_Name=RF360, Mouser Part Number=N/A, Datasheet Link=https://4donline.ihs.com/images/VipMasterIC/IC/TDKC/TDKC-S-A0001073526/TDKC-S-A0001073105-1.pdf?hkey=52A5661711E402568146F3353EA87419, HEIGHT=0.4mm, Manufacturer_Part_Number=B39162B8313P810, Mouser Price/Stock=https://www.mouser.co.uk/ProductDetail/RF360/B39162B8313P810?qs=%2Fd%252BFzHvH4c20Rngavm5AuA%3D%3D
IC1: "Accelerometer", Manufacturer_Name=STMicroelectronics, Mouser Part Number=511-LSM6DSOTR, Arrow Part Number=LSM6DSOTR, Arrow Price/Stock=https://www.arrow.com/en/products/lsm6dsotr/stmicroelectronics?utm_currency=USD&region=nac, Datasheet Link=https://www.st.com/resource/en/datasheet/lsm6dso.pdf, HEIGHT=0.86mm, Manufacturer_Part_Number=LSM6DSOTR, Mouser Price/Stock=https://www.mouser.co.uk/ProductDetail/STMicroelectronics/LSM6DSOTR?qs=lc2O%252BfHJPVbD197C5c7oNw%3D%3D
IC2: "Integrated Circuit", Manufacturer_Name=TDK, Mouser Part Number=410-ICM-42688-P, Arrow Part Number=ICM-42688-P, Arrow Price/Stock=https://www.arrow.com/en/products/icm-42688-p/invensense?utm_currency=USD&region=nac, Datasheet Link=https://3cfeqx1hf82y3xcoull08ihx-wpengine.netdna-ssl.com/wp-content/uploads/2021/06/DS-000347-ICM-42688-P-v1.5.pdf, Manufacturer_Part_Number=ICM-42688-P, Mouser Price/Stock=https://www.mouser.co.uk/ProductDetail/TDK-InvenSense/ICM-42688-P?qs=OlC7AqGiEDk8QrNAV728zw%3D%3D
IC3: "Integrated Circuit", Manufacturer_Name=Melexis, Mouser Part Number=482-90393ELWABA013SP, Arrow Part Number=MLX90393ELW-ABA-013-SP, Arrow Price/Stock=https://www.arrow.com/en/products/mlx90393elw-aba-013-sp/melexis?utm_currency=USD&region=nac, Datasheet Link=https://www.melexis.com/-/media/files/documents/datasheets/mlx90393-datasheet-melexis.pdf, HEIGHT=1mm, Manufacturer_Part_Number=MLX90393ELW-ABA-013-SP, Mouser Price/Stock=https://www.mouser.co.uk/ProductDetail/Melexis/MLX90393ELW-ABA-013-SP?qs=4pzlT8jjbhe5W8hWOSw65g%3D%3D
IC4: "Integrated Circuit", Manufacturer_Name=STMicroelectronics, Mouser Part Number=511-STM32H723ZGT6, Arrow Part Number=STM32H723ZGT6, Arrow Price/Stock=https://www.arrow.com/en/products/stm32h723zgt6/stmicroelectronics?region=nac, Datasheet Link=https://www.mouser.cn/datasheet/2/389/stm32h723zg-1893346.pdf, HEIGHT=1.6mm, Manufacturer_Part_Number=STM32H723ZGT6, Mouser Price/Stock=https://www.mouser.co.uk/ProductDetail/STMicroelectronics/STM32H723ZGT6?qs=sPbYRqrBIVkPaOxQT7wG%252BA%3D%3D
IC5: "Integrated Circuit", Manufacturer_Name=Skyworks, Arrow Part Number=RFX2401C, Arrow Price/Stock=https://www.arrow.com/en/products/rfx2401c/skyworks-solutions?region=nac, Datasheet Link=https://eu.mouser.com/datasheet/2/472/RFX2401C_204359B-1524606.pdf, HEIGHT=0.6mm, Manufacturer_Part_Number=RFX2401C
IC6: "Integrated Circuit", Manufacturer_Name="Nordic Semiconductor", HEIGHT=0.95mm, Manufacturer_Part_Number=nRF24L01P
IC7: "Integrated Circuit", Manufacturer_Name="Texas Instruments", Arrow Part Number=LMR33640ADDAR, Arrow Price/Stock=https://www.arrow.com/en/products/lmr33640addar/texas-instruments, Datasheet Link=https://www.ti.com/lit/gpn/LMR33640, HEIGHT=1.7mm, Manufacturer_Part_Number=LMR33640ADDAR
IC8: "Integrated Circuit", Arrow Part Number="MT29F2G01ABAGDWB-IT:G TR", Manufacturer_Name=Micron, Mouser Part Number=340-319922-REEL, Arrow Price/Stock=https://www.arrow.com/en/products/mt29f2g01abagdwb-itg-tr/micron-technology?region=nac, Datasheet Link=https://www.arrow.com/en/products/mt29f2g01abagdwb-itgtr/micron-technology, HEIGHT=0.65mm, Manufacturer_Part_Number="MT29F2G01ABAGDWB-IT:G TR", Mouser Price/Stock=https://www.mouser.co.uk/ProductDetail/Micron/MT29F2G01ABAGDWB-ITG-TR?qs=j%252B1pi9TdxUa99FyONPZPSg%3D%3D
IC9: "Integrated Circuit", Manufacturer_Name=STMicroelectronics, Mouser Part Number=511-TESEO-LIV3R, Arrow Part Number=TESEO-LIV3R, Arrow Price/Stock=https://www.arrow.com/en/products/teseo-liv3r/stmicroelectronics?region=nac, Datasheet Link=https://www.st.com/resource/en/datasheet/teseo-liv3r.pdf, HEIGHT=2.3mm, Manufacturer_Part_Number=TESEO-LIV3R, Mouser Price/Stock=https://www.mouser.co.uk/ProductDetail/STMicroelectronics/TESEO-LIV3R?qs=ZSypp649SOXG7EmhCFcBlw%3D%3D
IC10: "Integrated Circuit", Manufacturer_Name=BOSCH, Mouser Part Number=262-BMP390, Arrow Part Number=BMP390, Arrow Price/Stock=https://www.arrow.com/en/products/bmp390/bosch?region=nac, Datasheet Link=https://www.bosch-sensortec.com/media/boschsensortec/downloads/datasheets/bst-bmp390-ds002.pdf, HEIGHT=0.8mm, Manufacturer_Part_Number=BMP390, Mouser Price/Stock=https://www.mouser.co.uk/ProductDetail/Bosch-Sensortec/BMP390?qs=QNEnbhJQKvYQVfvRMgo2YA%3D%3D
IC11: "Integrated Circuit", Arrow Part Number=MCP3426A0-E/MC, Manufacturer_Name=Microchip, Mouser Part Number=579-MCP3426A0E/MC, Arrow Price/Stock=https://www.arrow.com/en/products/mcp3426a0-emc/microchip-technology?region=nac, Datasheet Link=http://www.microchip.com/mymicrochip/filehandler.aspx?ddocname=en546216, HEIGHT=1mm, Manufacturer_Part_Number=MCP3426A0-E/MC, Mouser Price/Stock=https://www.mouser.co.uk/ProductDetail/Microchip-Technology/MCP3426A0-E-MC?qs=icxrp76fIjCY1JH54pALjQ%3D%3D
J1: "Connector", Manufacturer_Name=SAMTEC, Mouser Part Number=200-FTSH10501LMDVK, Arrow Part Number=FTSH-105-01-LM-DV-K, Arrow Price/Stock=https://www.arrow.com/en/products/ftsh-105-01-lm-dv-k/samtec?utm_currency=USD&region=nac, Datasheet Link=http://suddendocs.samtec.com/prints/ftsh-1xx-xx-xxx-dv-xxx-xxx-mkt.pdf, Manufacturer_Part_Number=FTSH-105-01-LM-DV-K, Mouser Price/Stock=https://www.mouser.co.uk/ProductDetail/Samtec/FTSH-105-01-LM-DV-K?qs=Cqqh%252BS766wkgt1n7b4Yb6g%3D%3D
J2 J9: "Connector", Manufacturer_Name="Linx Technologies", Mouser Part Number=712-CONUFL001-SMD-T, Datasheet Link=https://linxtechnologies.com/wp/product/mhf-rf-connectors/, Manufacturer_Part_Number=CONUFL001-SMD-T, Mouser Price/Stock=https://www.mouser.co.uk/ProductDetail/Linx-Technologies/CONUFL001-SMD-T?qs=EU6FO9ffTwfRdkBeQTdJWQ%3D%3D
J10: "Connector", Manufacturer_Name=Hirose, Manufacturer_Part_Number=FH34SRJ-50S-0.5SH(50), Mouser Part Number=798-FH34SRJ50S05SH50, Datasheet Link=https://www.hirose.com/en/product/document?clcode=CL0580-1266-2-50&productname=FH34SRJ-50S-0.5SH(50)&series=FH34SRJ&documenttype=2DDrawing&lang=en&documentid=0001483059, HEIGHT=1.75mm, Mouser Price/Stock=https://www.mouser.co.uk/ProductDetail/Hirose-Connector/FH34SRJ-50S-0.5SH50?qs=vcbW%252B4%252BSTIrLLD%2F8H%2F%252B%2Fhg%3D%3D, System=Connector
L1 L2 L3 L4 L5: "Inductor", Manufacturer_Name=TDK
  L1 L2: Arrow Part Number=MLG1005S2N4BT000, Arrow Price/Stock=https://www.arrow.com/en/products/mlg1005s2n4bt000/tdk, Datasheet Link=https://product.tdk.com/system/files/dam/doc/product/inductor/inductor/smd/catalog/inductor_commercial_high-frequency_mlg1005s_en.pdf, Manufacturer_Part_Number=MLG1005S2N4BT000
  L3: Arrow Part Number=MLG1005S3N9BT000, Arrow Price/Stock=https://www.arrow.com/en/products/mlg1005s3n9bt000/tdk, Datasheet Link=https://product.tdk.com/system/files/dam/doc/product/inductor/inductor/smd/catalog/inductor_commercial_high-frequency_mlg1005s_en.pdf, Manufacturer_Part_Number=MLG1005S3N9BT000
  L4: Datasheet Link=https://product.tdk.com/system/files/dam/doc/product/inductor/inductor/smd/catalog/inductor_commercial_high-frequency_mlg1005s_en.pdf, Manufacturer_Part_Number=MLG1005S8N2HT000
  L5: Datasheet Link=https://product.tdk.com/system/files/dam/doc/product/inductor/inductor/smd/catalog/inductor_automotive_high-frequency_mlg1005s_en.pdf, Manufacturer_Part_Number=MLG1005S2N7BTD25
L6: "Inductor", Manufacturer_Name=Eaton, Mouser Part Number=704-EXLA1V0606-100-R, Datasheet Link=https://www.eaton.com/content/dam/eaton/products/electronic-components/resources/data-sheet/eaton-exla1v06-automotive-high-current-molded-inductor-data-sheet-elx1221-en.pdf, HEIGHT=6mm, Manufacturer_Part_Number=EXLA1V0606-100-R, Mouser Price/Stock=https://www.mouser.co.uk/ProductDetail/Bussmann-Eaton/EXLA1V0606-100-R?qs=T%252BzbugeAwjhRVU8Dylvhsg%3D%3D
L7 L8: "Inductor", Manufacturer_Part_Number=LQG15HS27NJ02
LED1: "LED (Multiple)", Manufacturer_Name=Lite-On, Mouser Part Number=859-LTST-C281KRKT, Arrow Part Number=LTST-C281KRKT, Arrow Price/Stock=https://www.arrow.com/en/products/ltst-c281krkt/lite-on-technology?region=nac, Datasheet Link=https://www.digikey.ph/en/products/detail/liteon/LTST-C281KRKT/3198723, HEIGHT=0.35mm, Manufacturer_Part_Number=LTST-C281KRKT, Mouser Price/Stock=https://www.mouser.co.uk/ProductDetail/Lite-On/LTST-C281KRKT?qs=xb8aMrBSZRKAPWJcmf%2F7XQ%3D%3D
LED2 LED3 LED4: library part LTST-C281KRKT, "LED (Multiple)", Manufacturer_Name=Lite-On, Mouser Part Number=859-LTST-C281KRKT, Arrow Part Number=LTST-C281KRKT, Arrow Price/Stock=https://www.arrow.com/en/products/ltst-c281krkt/lite-on-technology?region=nac, Datasheet Link=https://www.digikey.ph/en/products/detail/liteon/LTST-C281KRKT/3198723, HEIGHT=0.35mm, Manufacturer_Part_Number=LTST-C281KRKT, Mouser Price/Stock=https://www.mouser.co.uk/ProductDetail/Lite-On/LTST-C281KRKT?qs=xb8aMrBSZRKAPWJcmf%2F7XQ%3D%3D
Q1: "Transistor BJT PNP", Manufacturer_Name="Diodes Incorporated", Mouser Part Number=621-DCX123JU-F, Arrow Part Number=DCX123JU-7-F, Arrow Price/Stock=https://www.arrow.com/en/products/dcx123ju-7-f/diodes-incorporated, Datasheet Link=https://www.diodes.com//assets/Datasheets/DCX_XXXX_U.pdf, HEIGHT=1.1mm, Manufacturer_Part_Number=DCX123JU-7-F, Mouser Price/Stock=https://www.mouser.co.uk/ProductDetail/Diodes-Incorporated/DCX123JU-7-F?qs=JodRp68BO%2F64PTlIzh5LEQ%3D%3D
R1 R4 R11 R12 R26 R27 R28 R29: Manufacturer_Part_Number=ERA-2AED103X
R3 R8 R14: Manufacturer_Part_Number=RCA04020000ZSED
R6 R7: Manufacturer_Part_Number=TNPW040249K9DEED
R9: Manufacturer_Part_Number=CRGCQ0402J47R
R10 R16: Manufacturer_Part_Number=RC0402JR-13100KL
R13: Manufacturer_Part_Number=RK73H1ETTP1004F
R17: Manufacturer_Part_Number=ERA-2AEB4322X
R19 R20: Manufacturer_Part_Number=RC0402JR-7W4K7L
R21 R22 R23 R24: Manufacturer_Part_Number=RC0402DR-071KL
RT1 RT2: "Thermistor", Manufacturer_Name=LITTELFUSE, Mouser Part Number=803-PS103G2, Arrow Part Number=PS103G2, Arrow Price/Stock=https://www.arrow.com/en/products/ps103g2/littelfuse, Datasheet Link=https://componentsearchengine.com/Datasheets/1/PS103G2.pdf, HEIGHT=2.413mm, Manufacturer_Part_Number=PS103G2, Mouser Price/Stock=https://www.mouser.co.uk/ProductDetail/Littelfuse/PS103G2?qs=gGwQ3tp6HcSgjlOXbgIaWw%3D%3D
S1 S2: "Switch", Manufacturer_Name="Omron Electronics", Mouser Part Number=653-B3U-3000P, Arrow Part Number=B3U-3000P, Arrow Price/Stock=https://www.arrow.com/en/products/b3u-3000p/omron?region=nac, Datasheet Link=http://omronfs.omron.com/en_US/ecb/products/pdf/en-b3u.pdf, Manufacturer_Part_Number=B3U-3000P, Mouser Price/Stock=https://www.mouser.co.uk/ProductDetail/Omron-Electronics/B3U-3000P?qs=AO7BQMcsEu4un9I7hS23xg%3D%3D
Y1: "Crystal or Oscillator", Manufacturer_Name=ECS, Mouser Part Number=520-320-10-37B-CKYT, Arrow Part Number=ECS-320-10-37B-CKY-TR, Arrow Price/Stock=https://www.arrow.com/en/products/ecs-320-10-37b-cky-tr/ecs-international?region=nac, Datasheet Link=https://ecsxtal.com/store/pdf/ECX-1637B.pdf, HEIGHT=0.5mm, Manufacturer_Part_Number=ECS-320-10-37B-CKY-TR, Mouser Price/Stock=https://www.mouser.co.uk/ProductDetail/ECS/ECS-320-10-37B-CKY-TR?qs=l7cgNqFNU1gltxVt%2FwcX%252Bw%3D%3D
Y2: "Crystal or Oscillator", Manufacturer_Name="Wurth Elektronik", Datasheet Link=https://www.we-online.com/catalog/datasheet/830108340709.pdf, HEIGHT=0.5mm, Manufacturer_Part_Number=830108288709

## Via types
v1: diameter 17.72, hole 11.81, Top Layer to Bottom Layer, tented both sides, 601 vias